# Altium PCB DD2090_4CAM_FFC.PcbDoc (part 4 of 4)
Units mm, origin at the board's own origin, x right, y up, seen from the top; angles counter-clockwise.
Board outline 65 x 38 mm, 6 copper layers (Top Copper, Layer 1, Layer 2, Layer 3, Layer 4, Bottom Layer), stack 1.578 mm thick; 177 components, 156 nets, 914 pads, 584 vias.
Unrouted connection lines stored in the file: 16.
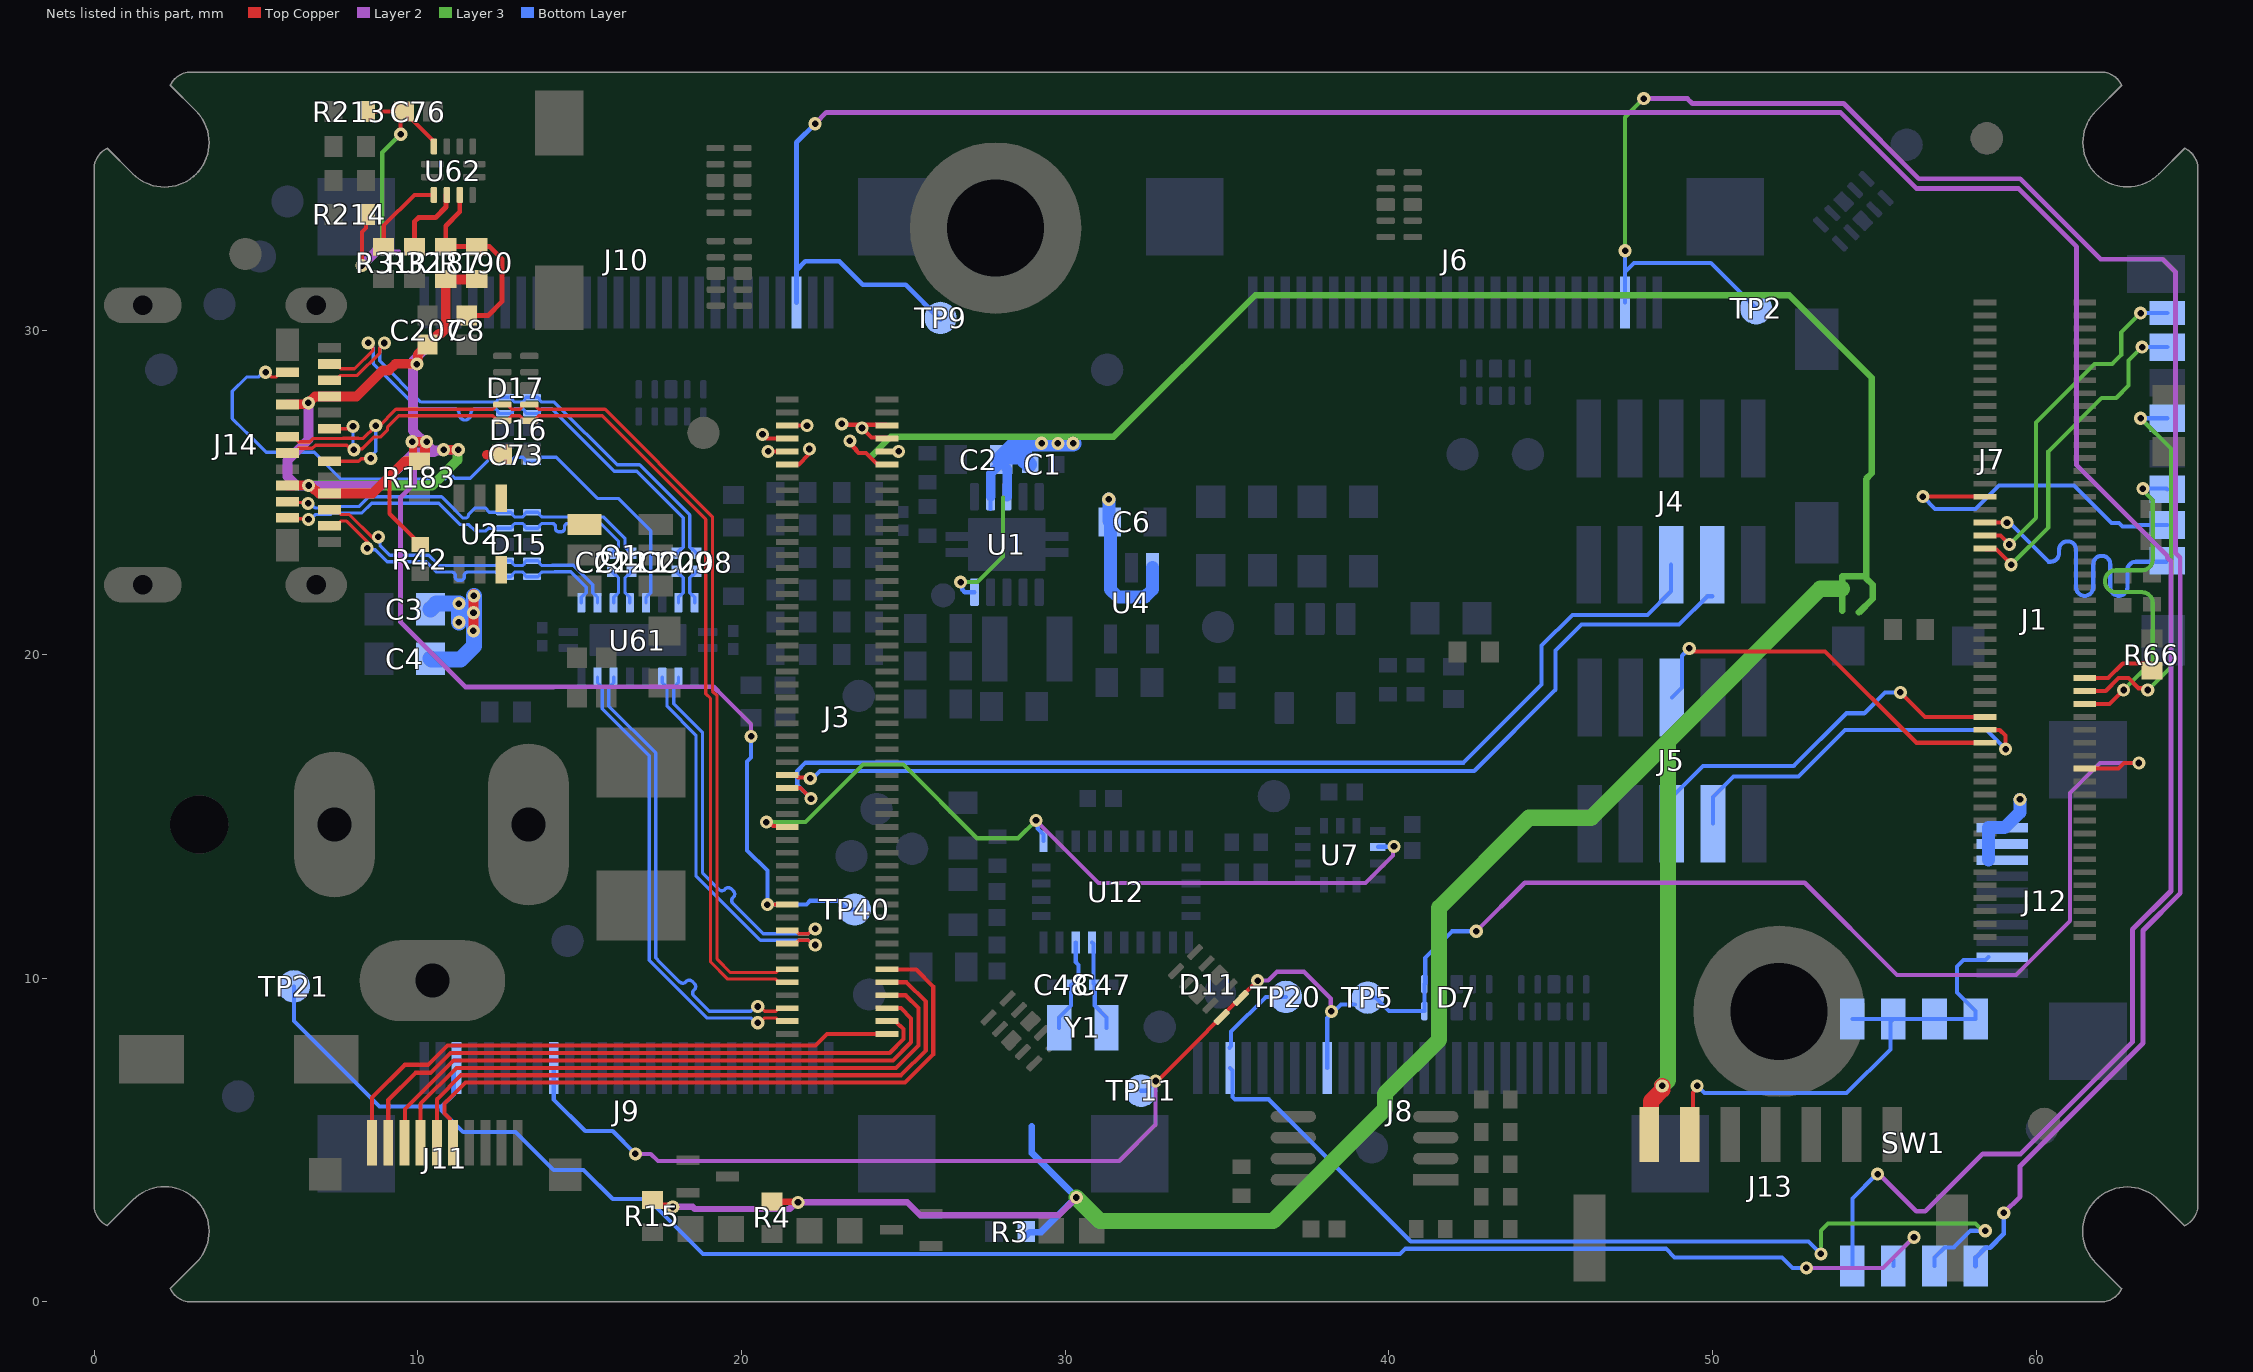
[diagram p8: the nets of this part, all layers, seen from the top]

## Via types
v1: diameter 0.406, hole 0.203, Top Copper to Bottom Layer, tented both sides, 584 vias

## Nets (pads, with @x,y where several pads share a name; then routed paths per layer and width w, separated by ;. In a path a pad name is that pad's centre, name@x,y a point inside that pad or via, vN(x,y) a via of type N, cw(c..) or ccw(c..) an arc to the next point about the centre after c; other vN are vias at no path point) (continued)
RXB_P: D16.1 D16.10 J14.B11 U61.16 | length 20.6
  Top Copper w0.102: v1(5.298,28.723) 5.327,28.723 5.473,28.577 5.627,28.577 5.775,28.725 J14.B11@5.975,28.725
  Bottom Layer w0.102: v1(5.298,28.723) 5.232,28.723 5.086,28.577 4.856,28.577 4.855,28.575 4.713,28.575 4.272,28.134 4.272,27.291 4.656,26.906 4.716,26.847 5.316,26.247 6.803,26.247 7.628,25.422 10.833,25.422 10.998,25.587 11.141,25.443 11.622,25.443 12.277,26.098 12.406,26.098 12.466,26.039 12.466,25.999 12.515,25.95 12.88,25.95 12.929,25.999 12.929,26.039 12.989,26.098 13.241,26.098 13.301,26.039 13.301,25.999 13.35,25.95 D16.10@13.533,25.95 13.715,25.95 13.764,25.999 13.764,26.039 13.824,26.098 14.274,26.098 14.973,25.4 15.116,25.256 15.551,24.822 16.198,24.822 17.202,23.818 17.202,21.908 17.142,21.848 17.127,21.848 17.053,21.774 U61.16@17.053,21.599
RXC_N: D15.2 D15.9 J14.A10 U61.13 | length 10.2
  Top Copper w0.102: J14.A10@7.275,24.475 7.475,24.475 7.623,24.327 7.886,24.327 8.619,23.594 8.744,23.594 v1(8.784,23.634)
  Bottom Layer w0.102: v1(8.784,23.634) 8.831,23.588 8.831,23.381 9.141,23.072 10.347,23.072 10.667,22.752 12.406,22.752 12.466,22.811 12.466,22.851 12.515,22.9 D15.2@12.698,22.9 12.88,22.9 12.929,22.851 12.929,22.811 12.989,22.752 13.241,22.752 13.301,22.811 13.301,22.851 13.35,22.9 13.715,22.9 13.764,22.851 13.764,22.811 13.824,22.752 14.142,22.752 14.149,22.759 14.807,22.759 15.405,22.161 15.405,21.908 15.464,21.848 15.479,21.848 15.553,21.774 U61.13@15.553,21.599
RXC_P: D15.1 D15.10 J14.A11 U61.12 | length 10.2
  Top Copper w0.102: J14.A11@7.275,23.975 7.475,23.975 7.623,24.123 7.802,24.123 8.475,23.45 8.475,23.325 v1(8.434,23.284)
  Bottom Layer w0.102: v1(8.434,23.284) 8.481,23.238 8.687,23.238 9.056,22.869 10.263,22.869 10.583,22.548 10.726,22.548 11.056,22.548 cw(c11.056,22.447) 11.157,22.447 11.157,22.392 ccw(c11.255,22.392) 11.255,22.294 11.339,22.294 ccw(c11.339,22.392) 11.437,22.392 11.437,22.447 cw(c11.538,22.447) 11.538,22.548 12.406,22.548 12.415,22.54 12.466,22.489 12.466,22.449 12.515,22.4 D15.1@12.698,22.4 12.88,22.4 12.929,22.449 12.929,22.489 12.989,22.548 13.241,22.548 13.301,22.489 13.301,22.449 13.35,22.4 13.715,22.4 13.764,22.449 13.764,22.489 13.824,22.548 14.226,22.548 14.233,22.556 14.723,22.556 15.202,22.077 15.202,21.908 15.142,21.848 15.127,21.848 15.053,21.774 U61.12@15.053,21.599
SD_HST0_CD: J1.59 R66.2 | length 2.2
  Top Copper w0.127: J1.59@61.5,19.275 62.226,19.275 62.676,19.725 R66.2@63.55,19.725
SD_HST0_CLK: J1.61 J7.5 | length 12.2
  Top Copper w0.127: J1.61@61.5,18.875 62.149,18.875 62.547,19.273 62.853,19.273 63.167,18.958 63.397,18.958 v1(63.45,18.905)
  Layer 3 w0.127: v1(63.225,27.3) 64.175,26.35 64.175,19.63 63.47,18.925 63.47,18.905 v1(63.45,18.905)
  Bottom Layer w0.127: v1(63.225,27.3) J7.5@64.05,27.3
SD_HST0_CMD: J1.63 J7.3 | length 11.2
  Top Copper w0.127: J1.63@61.5,18.475 62.27,18.475 v1(62.7,18.905)
  Layer 3 w0.127: v1(62.7,18.905) 63.604,19.808 63.604,21.525 63.604,21.589 ccw(c63.265,21.589) 63.265,21.927 62.463,21.927 cw(c62.463,22.266) 62.124,22.266 cw(c62.463,22.266) 62.463,22.604 63.265,22.604 ccw(c63.265,22.943) 63.604,22.943 63.604,24.625 63.604,24.764 63.297,25.071 v1(63.297,25.127)
  Bottom Layer w0.127: v1(63.297,25.127) 64.023,25.127 J7.3@64.05,25.1
SD_HST0_D0: J1.40 J7.7 | length 10.5
  Top Copper w0.127: J1.40@58.42,23.275 58.446,23.249 58.776,23.249 59.225,22.8 v1(59.225,22.775)
  Layer 3 w0.127: v1(59.225,22.775) 60.375,23.925 60.375,26.275 62.025,27.925 62.475,27.925 62.857,28.307 62.857,29.082 v1(63.275,29.5)
  Bottom Layer w0.127: v1(63.275,29.5) J7.7@64.05,29.5
SD_HST0_D1: J1.38 J7.8 | length 10.8
  Top Copper w0.127: J1.38@58.42,23.675 58.9,23.675 v1(59.175,23.4)
  Layer 3 w0.127: v1(59.175,23.4) 60,24.225 60,27.175 61.8,28.975 62.35,28.975 62.628,29.253 62.628,29.953 v1(63.225,30.55)
  Bottom Layer w0.127: v1(63.225,30.55) J7.8@64.05,30.55
SD_HST0_D2: J1.36 J7.1 | length 10.9
  Top Copper w0.127: J1.36@58.42,24.075 v1(59.1,24.075)
  Bottom Layer w0.127: v1(59.1,24.075) 59.175,24.075 60.382,22.868 60.445,22.868 ccw(c60.445,23.132) 60.709,23.132 60.709,23.235 cw(c60.972,23.235) 61.236,23.235 61.236,22.076 ccw(c61.499,22.076) 61.763,22.076 61.763,22.788 cw(c62.026,22.788) 62.29,22.788 62.29,22.076 ccw(c62.553,22.076) 62.817,22.076 62.817,22.605 cw(c63.08,22.605) 63.08,22.868 63.625,22.868 64.018,22.868 J7.1@64.05,22.9
SD_HST0_D3: J1.32 J7.2 | length 10.5
  Top Copper w0.127: v1(56.499,24.881) 56.502,24.878 58.417,24.878 J1.32@58.42,24.875
  Bottom Layer w0.127: v1(56.499,24.881) 56.88,24.5 58.125,24.5 58.85,25.225 61.172,25.225 62.329,24.068 62.56,24.068 62.671,23.957 63.134,23.957 63.177,24 J7.2@64.05,24
SPI_SIO2: J1.66 J5.6 | length 12.1
  Top Copper w0.127: v1(55.807,18.832) 56.056,18.583 56.564,18.075 J1.66@58.42,18.075
  Bottom Layer w0.127: J5.6@48.748,14.775 48.748,15.595 49.712,16.56 52.51,16.56 54.138,18.187 54.69,18.187 55.335,18.832 v1(55.807,18.832)
SPI_SIO3: J1.68 J5.8 | length 12.1
  Top Copper w0.127: J1.68@58.42,17.675 58.875,17.675 59.056,17.494 v1(59.056,17.079)
  Bottom Layer w0.127: J5.8@50.018,14.775 50.018,15.595 50.654,16.232 52.654,16.232 54.098,17.675 58.46,17.675 v1(59.056,17.079)
SPI_SS_0: J1.70 J5.5 | length 12.1
  Top Copper w0.127: v1(49.281,20.189) 49.356,20.189 49.445,20.1 53.473,20.1 56.298,17.275 J1.70@58.42,17.275
  Bottom Layer w0.127: J5.5@48.748,18.675 49.055,18.982 49.055,19.963 v1(49.281,20.189)
STEREO_CLK: D7.5 D7.6 D11.5 D11.6 J1.73 J8.18 J9.18 TP5.1 TP11.1 | length 67.4
  Top Copper w0.127: v1(32.798,6.825) 32.848,6.825 v1(35.948,9.925) ; J1.73@61.5,16.475 62.544,16.475 62.719,16.65 v1(63.175,16.65)
  Layer 2 w0.127: v1(16.725,4.575) 17.198,4.575 17.423,4.35 31.673,4.35 32.798,5.475 v1(32.798,6.825) ; v1(35.948,9.925) 36.275,9.925 36.55,10.2 37.375,10.2 38.206,9.369 38.206,8.994 v1(38.225,8.975) ; v1(42.7,11.45) 44.2,12.95 52.85,12.95 55.698,10.102 59.377,10.102 61.05,11.775 61.05,15.725 61.975,16.65 v1(63.175,16.65)
  Bottom Layer w0.127: J9.18@14.2,7.225 14.2,6.25 15.175,5.275 16.025,5.275 v1(16.725,4.575) ; TP11.1@32.348,6.525 32.498,6.525 v1(32.798,6.825) ; J8.18@38.098,7.225 38.098,8.772 38.225,8.899 v1@38.225,8.96 ; v1(38.225,8.975) 38.301,8.975 38.519,9.193 TP5.1@38.947,9.193 ; TP5.1@39.35,9.4 39.586,9.4 40.004,8.982 D7.5@41.1,8.982 D7.6@41.1,9.817 41.125,9.842 41.125,10.623 41.952,11.45 v1(42.7,11.45)
STROBE: J12.9 J13.2 SW1.5 SW1.6 SW1.7 SW1.8 | length 15.9
  Top Copper w0.127: J13.2@49.3,5.175 49.4,5.275 49.4,6.473 49.525,6.598 v1(49.525,6.672)
  Bottom Layer w0.127: v1(49.525,6.672) 49.529,6.672 49.751,6.45 54.146,6.45 55.5,7.804 55.5,8.645 SW1.6@55.59,8.735 ; SW1.5@54.32,8.735 SW1.6@55.59,8.735 ; J12.9@58.525,10.65 58.439,10.564 57.755,10.564 57.56,10.368 57.56,9.56 58.13,8.99 SW1.8@58.13,8.735 SW1.7@56.86,8.735 SW1.6@55.59,8.735
STROBE1: J8.24 SW1.2 TP20.1 | length 31.9
  Layer 3 w0.127: v1(53.35,1.485) 53.35,2.2 53.575,2.425 58.124,2.425 58.349,2.2 v1(58.425,2.2)
  Bottom Layer w0.127: J8.24@35.075,7.852 35.125,7.902 35.125,8.351 36.199,9.425 TP20.1@36.823,9.425 ; J8.24@35.098,7.225 35.173,7.15 35.173,6.334 35.247,6.26 36.291,6.26 40.679,1.872 52.963,1.872 v1(53.35,1.485) ; SW1.2@56.86,1.115 56.86,1.37 57.177,1.686 57.453,1.686 57.967,2.2 v1(58.425,2.2)
STROBE2: J9.24 SW1.3 TP21.1 | length 57.4
  Layer 2 w0.127: v1(52.9,1.05) 55.275,1.05 v1(56.225,2)
  Bottom Layer w0.127: TP21.1@6.175,9.75 6.175,8.675 8.815,6.035 10.74,6.035 ; J9.24@11.2,7.225 11.114,7.139 11.114,6.409 10.74,6.035 ; v1(52.9,1.05) 52.468,1.05 52.143,1.375 48.83,1.375 48.561,1.643 40.51,1.643 40.349,1.482 18.808,1.482 17.114,3.175 16.025,3.175 15.125,4.075 14.2,4.075 13.025,5.25 11.404,5.25 10.74,5.915 10.74,6.035 ; SW1.3@55.59,1.115 55.59,1.37 56.22,2 v1(56.225,2)
STROBE3: J6.24 SW1.1 TP2.1 | length 63.4
  Layer 2 w0.15: v1(47.875,37.175) 49.225,37.175 49.375,37.025 54.05,37.025 56.375,34.7 59.506,34.7 61.993,32.212 63.913,32.212 64.3,31.825 64.3,23.14 64.45,22.99 64.45,12.625 63.3,11.475 63.3,7.996 59.504,4.2 59.504,3.254 v1(59,2.75)
  Layer 3 w0.127: v1(47.3,32.475) 47.3,36.6 v1(47.875,37.175)
  Bottom Layer w0.127: J6.24@47.298,30.875 47.298,31.823 ; v1(47.3,32.475) 47.298,32.473 47.298,31.823 ; TP2.1@51.348,30.7 49.948,32.1 47.575,32.1 47.298,31.823
  Bottom Layer w0.15: SW1.1@58.13,1.115 58.13,1.37 58.435,1.675 58.575,1.675 59,2.1 v1(59,2.75)
STROBE4: J10.24 SW1.4 TP9.1 | length 91.9
  Layer 2 w0.15: v1(22.275,36.4) 22.625,36.75 53.95,36.75 56.3,34.4 59.45,34.4 61.25,32.6 61.25,25.85 64.048,23.052 64.048,22.995 64.165,22.879 64.165,12.696 62.975,11.506 62.975,8.027 59.523,4.575 58.35,4.575 56.575,2.8 56.3,2.8 55.15,3.95 v1(55.1,3.95)
  Bottom Layer w0.127: SW1.4@54.32,1.115 54.32,3.195 55.075,3.95 v1(55.1,3.95)
  Bottom Layer w0.15: J10.24@21.7,30.875 21.7,31.875 ; v1(22.275,36.4) 21.7,35.825 21.7,31.875 ; TP9.1@26.15,30.35 25.075,31.425 23.75,31.425 23.025,32.15 21.975,32.15 21.7,31.875
SYS_RST: J3.89 J11.6 | length 20.8
  Top Copper w0.127: J11.6@11.089,4.92 11,5.009 11,5.654 10.832,5.822 10.832,6.128 11.479,6.775 25.05,6.775 25.925,7.65 25.925,9.75 25.4,10.275 J3.89@24.495,10.275
TCK: J3.97 J11.2 | length 19
  Top Copper w0.127: J11.2@9.089,4.92 9.089,6.242 9.926,7.079 10.398,7.079 11.009,7.689 24.583,7.689 25.01,8.117 25.01,8.433 24.913,8.53 24.9,8.53 24.782,8.649 24.522,8.649 J3.97@24.495,8.675
TDI: J3.95 J11.3 | length 19.1
  Top Copper w0.127: J11.3@9.589,4.92 9.601,4.932 9.601,5.959 11.103,7.461 24.678,7.461 25.239,8.022 25.239,8.761 24.925,9.075 J3.95@24.495,9.075
TDO: J3.91 J11.5 | length 20
  Top Copper w0.127: J11.5@10.589,4.92 10.589,6.26 11.333,7.004 24.929,7.004 25.696,7.771 25.696,9.279 25.1,9.875 J3.91@24.495,9.875
TMS: J3.99 J11.1 | length 18.1
  Top Copper w0.127: J11.1@8.589,4.92 8.589,6.317 9.599,7.326 10.322,7.326 10.914,7.918 22.291,7.918 22.648,8.275 J3.99@24.495,8.275
TRST: J3.93 J11.4 | length 19.6
  Top Copper w0.127: J11.4@10.089,4.92 10.089,6.123 11.198,7.232 24.772,7.232 25.467,7.927 25.467,9.083 25.075,9.475 J3.93@24.495,9.475
TXB1_N: C208.2 U61.19 | length 1.1
  Bottom Layer w0.102: U61.19@18.553,21.599 18.553,21.774 18.479,21.848 18.464,21.848 18.405,21.908 18.405,22.102 18.405,22.38 18.464,22.44 18.494,22.44 18.603,22.549 C208.2@18.603,22.569
TXB1_P: C209.2 U61.18 | length 1.1
  Bottom Layer w0.102: C209.2@18.003,22.569 18.003,22.549 18.112,22.44 18.142,22.44 18.202,22.38 18.202,22.186 18.202,21.908 18.142,21.848 18.127,21.848 18.053,21.774 U61.18@18.053,21.599
TXB_N: C208.1 D16.5 D16.6 J14.A3 | length 16.1
  Top Copper w0.102: J14.A3@7.275,28.475 7.475,28.475 7.623,28.623 8.13,28.623 8.822,29.316 8.822,29.477 v1(8.97,29.625)
  Bottom Layer w0.102: v1(8.97,29.625) 8.825,29.48 8.825,29.075 10.098,27.802 12.406,27.802 12.466,27.861 12.466,27.901 12.515,27.95 D16.5@12.698,27.95 12.88,27.95 12.929,27.901 12.929,27.861 12.989,27.802 13.241,27.802 13.301,27.861 13.301,27.901 13.35,27.95 D16.6@13.533,27.95 13.715,27.95 13.764,27.901 13.764,27.861 13.824,27.802 14.222,27.802 16.158,25.866 16.853,25.866 18.405,24.315 18.405,23.318 18.464,23.258 18.494,23.258 18.603,23.149 C208.1@18.603,23.129
TXB_P: C209.1 D16.4 D16.7 J14.A2 | length 16.1
  Top Copper w0.102: J14.A2@7.275,28.975 7.475,28.975 7.623,28.827 8.046,28.827 8.619,29.4 8.619,29.481 v1(8.471,29.629)
  Bottom Layer w0.102: v1(8.471,29.629) 8.622,29.478 8.622,28.991 10.014,27.598 10.707,27.598 11.109,27.598 cw(c11.109,27.423) 11.285,27.423 ccw(c11.461,27.423) 11.461,27.247 ccw(c11.461,27.423) 11.636,27.423 cw(c11.812,27.423) 11.812,27.598 12.25,27.598 12.406,27.598 12.466,27.539 12.466,27.499 12.515,27.45 D16.4@12.698,27.45 12.88,27.45 12.929,27.499 12.929,27.539 12.989,27.598 13.241,27.598 13.301,27.539 13.301,27.499 13.35,27.45 D16.7@13.533,27.45 13.715,27.45 13.764,27.499 13.764,27.539 13.824,27.598 14.138,27.598 16.074,25.663 16.769,25.663 18.202,24.23 18.202,23.318 18.142,23.258 18.112,23.258 18.003,23.149 C209.1@18.003,23.129
TXC1_N: C211.2 U61.15 | length 1.1
  Bottom Layer w0.102: U61.15@16.553,21.599 16.553,21.774 16.479,21.848 16.464,21.848 16.405,21.908 16.405,22.38 16.464,22.44 16.494,22.44 16.603,22.549 C211.2@16.603,22.569
TXC1_P: C212.2 U61.14 | length 1.1
  Bottom Layer w0.102: C212.2@16.003,22.569 16.003,22.549 16.112,22.44 16.142,22.44 16.202,22.38 16.202,21.908 16.142,21.848 16.127,21.848 16.053,21.774 U61.14@16.053,21.599
TXC_N: C211.1 D15.5 D15.6 J14.B3 | length 12.2
  Top Copper w0.102: J14.B3@5.975,24.725 6.003,24.697 6.585,24.697 v1(6.613,24.669)
  Bottom Layer w0.102: v1(6.613,24.669) 6.684,24.669 6.825,24.528 7.212,24.528 7.26,24.577 8.189,24.577 8.488,24.875 10.736,24.875 10.986,24.625 11.392,24.219 11.508,24.219 11.567,24.278 11.567,24.317 11.781,24.531 12.081,24.531 12.212,24.4 12.88,24.4 12.929,24.351 12.929,24.311 12.989,24.252 13.241,24.252 13.301,24.311 13.301,24.351 13.35,24.4 D15.6@13.533,24.4 13.715,24.4 13.764,24.351 13.764,24.311 13.824,24.252 15.737,24.252 16.405,23.583 16.405,23.318 16.464,23.258 16.494,23.258 16.603,23.149 C211.1@16.603,23.129
TXC_P: C212.1 D15.4 D15.7 J14.B2 | length 12.1
  Top Copper w0.102: J14.B2@5.975,24.225 6.001,24.199 6.598,24.199 v1(6.624,24.174)
  Bottom Layer w0.102: v1(6.624,24.174) 6.684,24.174 6.836,24.325 7.296,24.325 7.344,24.373 8.189,24.373 8.273,24.373 8.572,24.672 10.652,24.672 10.986,24.338 11.308,24.015 11.582,24.015 11.778,23.819 12.106,23.819 12.187,23.9 12.88,23.9 12.929,23.949 12.929,23.989 12.989,24.048 13.241,24.048 13.301,23.989 13.301,23.949 13.35,23.9 D15.7@13.533,23.9 13.715,23.9 13.764,23.949 13.764,23.989 13.824,24.048 14.154,24.048 cw(c14.154,23.947) 14.256,23.947 14.256,23.893 ccw(c14.354,23.893) 14.354,23.796 14.437,23.796 ccw(c14.437,23.893) 14.535,23.893 14.535,23.947 cw(c14.637,23.947) 14.637,24.048 15.288,24.048 15.652,24.048 16.202,23.499 16.202,23.318 16.142,23.258 16.112,23.258 16.003,23.149 C212.1@16.003,23.129
UART_RX: J3.62 J4.6 | length 32.7
  Top Copper w0.127: J3.62@21.415,15.875 21.825,15.875 v1(22.15,15.55)
  Bottom Layer w0.127: v1(22.15,15.55) 21.725,15.975 21.725,16.4 21.984,16.659 42.306,16.659 44.723,19.075 44.723,20.275 45.673,21.225 47.993,21.225 48.723,21.955 J4.6@48.723,22.775
UART_TX: J3.60 J4.8 | length 31.7
  Top Copper w0.127: J3.60@21.415,16.275 21.675,16.275 21.75,16.2 22.1,16.2 v1(22.125,16.175)
  Bottom Layer w0.127: v1(22.125,16.175) 22.201,16.175 22.432,16.406 42.64,16.406 45.148,18.914 45.148,20.125 45.948,20.925 48.963,20.925 49.838,21.8 J4.8@49.993,21.8
USB_CM: R31.1 U62.3 | length 2.6
  Top Copper w0.127: R31.1@8.948,32.6 8.948,33.25 9.898,34.2 U62.3@10.498,34.2
USB_D_N: D17.2 D17.9 J3.90 J14.A7 J14.B7 | length 33.7
  Top Copper w0.102: J14.B7@5.975,26.725 6.175,26.725 6.323,26.577 6.662,26.577 6.758,26.673 7.688,26.673 7.696,26.681 8.172,26.681 8.176,26.677 8.315,26.677 v1@8.681,27.043 ; J14.A7@7.275,25.975 7.872,25.975 7.878,25.969 8.172,25.969 8.257,26.054 8.541,26.054 v1(8.549,26.061) ; v1@8.792,27.043 9.325,27.577 12.321,27.577 12.381,27.636 12.381,27.676 12.43,27.725 D17.9@12.613,27.725 12.795,27.725 12.844,27.676 12.844,27.636 12.904,27.577 13.156,27.577 13.216,27.636 13.216,27.676 13.265,27.725 D17.2@13.448,27.725 13.63,27.725 13.679,27.676 13.679,27.636 13.739,27.577 15.786,27.577 19.103,24.259 19.103,18.872 19.248,18.727 19.248,10.591 19.662,10.177 21.057,10.177 21.155,10.275 J3.90@21.415,10.275
  Bottom Layer w0.102: v1(8.549,26.061) 8.549,26.122 8.7,26.273 v1(8.7,27.075)
USB_D_P: D17.1 D17.10 J3.92 J14.A6 J14.B6 | length 33.1
  Top Copper w0.102: J14.B6@5.975,26.225 6.175,26.225 6.323,26.373 6.746,26.373 6.842,26.469 7.813,26.469 7.957,26.325 v1(8.025,26.325) 8.062,26.362 8.287,26.362 8.644,26.719 8.847,26.719 9.068,26.94 9.068,27.032 9.409,27.373 12.321,27.373 12.381,27.314 12.381,27.274 12.43,27.225 D17.10@12.613,27.225 12.795,27.225 12.844,27.274 12.844,27.314 12.904,27.373 13.156,27.373 13.216,27.314 13.216,27.274 13.265,27.225 D17.1@13.448,27.225 13.63,27.225 13.679,27.274 13.679,27.314 13.739,27.373 15.702,27.373 18.9,24.175 18.9,18.788 19.044,18.643 19.044,10.507 19.578,9.973 20.972,9.973 21.057,9.973 21.155,9.875 J3.92@21.415,9.875 ; J14.A6@7.275,26.975 7.843,26.975 7.918,27.05 v1(8,27.05)
  Bottom Layer w0.102: v1(8,27.05) 8,26.35 v1(8.025,26.325)
USB_PORT: R32.1 U62.4 | length 2.3
  Top Copper w0.152: R32.1@9.906,32.6 9.906,33.383 10.023,33.5 10.548,33.5 10.874,33.826 10.874,34.176 U62.4@10.898,34.2
USB_RX_N: J3.96 U61.7 | length 14.6
  Top Copper w0.102: v1(20.505,9.126) 20.567,9.126 20.717,8.977 20.828,8.977 21.057,8.977 21.155,9.075 J3.96@21.415,9.075
  Bottom Layer w0.102: U61.7@16.053,19.299 16.053,19.124 15.979,19.05 15.964,19.05 15.905,18.991 15.905,18.405 17.351,16.959 17.351,10.633 17.483,10.501 18.101,9.883 ccw(c18.189,9.971) 18.277,9.883 18.298,9.904 cw(c18.386,9.816) 18.474,9.904 18.55,9.829 cw(c18.462,9.741) 18.55,9.653 18.528,9.631 ccw(c18.616,9.543) 18.528,9.455 18.816,9.168 19.007,8.977 20.293,8.977 20.442,9.126 v1(20.505,9.126)
USB_RX_P: J3.98 U61.8 | length 14.6
  Top Copper w0.102: v1(20.504,8.624) 20.568,8.624 20.717,8.773 20.913,8.773 21.057,8.773 21.155,8.675 J3.98@21.415,8.675
  Bottom Layer w0.102: U61.8@15.553,19.299 15.553,19.124 15.627,19.05 15.642,19.05 15.702,18.991 15.702,18.321 17.148,16.875 17.148,10.548 18.923,8.773 20.209,8.773 20.293,8.773 20.442,8.624 v1(20.504,8.624)
USB_TX_N: J3.84 U61.3 | length 12.1
  Top Copper w0.102: J3.84@21.415,11.475 21.675,11.475 21.773,11.377 22.068,11.377 22.214,11.523 v1(22.28,11.523)
  Bottom Layer w0.102: U61.3@18.053,19.299 18.053,19.124 17.979,19.05 17.964,19.05 17.905,18.991 17.905,18.483 18.798,17.59 18.798,13.368 18.798,13.249 19.307,12.739 ccw(c19.395,12.827) 19.483,12.739 19.505,12.761 cw(c19.593,12.673) 19.681,12.761 19.756,12.686 cw(c19.668,12.598) 19.756,12.51 19.735,12.488 ccw(c19.823,12.4) 19.735,12.312 20.022,12.025 20.67,11.377 21.762,11.377 22.068,11.377 22.214,11.523 v1(22.28,11.523)
USB_TX_P: J3.86 U61.4 | length 12.1
  Top Copper w0.102: J3.86@21.415,11.075 21.675,11.075 21.773,11.173 22.068,11.173 22.214,11.027 v1(22.28,11.027)
  Bottom Layer w0.102: U61.4@17.553,19.299 17.553,19.124 17.627,19.05 17.642,19.05 17.702,18.991 17.702,18.399 18.594,17.506 18.594,13.165 20.586,11.173 21.675,11.173 22.068,11.173 22.214,11.027 v1(22.28,11.027)
VBUS: C73.2 C207.2 J3.80 J14.A4 J14.A9 J14.B4 J14.B9 R42.1 R183.2 R187.1 R190.1 TP40.1 U2.1 | length 63.5
  Top Copper w0.127: 9.125,25.5 9.125,24.35 9.863,23.611 9.863,23.561 10.025,23.4 R42.1@10.075,23.4 ; v1(20.8,12.275) J3.80@21.415,12.275
  Top Copper w0.25: v1(9.825,26.575) 9.855,26.545 9.855,26.125 R183.2@10.005,25.975
  Top Copper w0.3: J14.B4@5.968,25.225 6.263,25.225 6.268,25.23 6.622,25.23 v1(6.629,25.223) ; J14.B9@5.968,27.73 6.578,27.73 v1(6.623,27.775) 6.823,27.975 J14.A4@7.275,27.975 8.104,27.975 8.904,28.775 9.1,28.775 9.305,28.98 9.97,28.98 v1(9.975,28.975) 9.995,28.995 9.995,29.27 C207.2@10.3,29.575 10.46,29.735 10.472,29.735 10.65,29.913 10.714,29.913 10.864,30.064 10.864,31.475 10.791,31.548 10.791,31.588 R190.1@11.823,31.588 ; v1@6.63,25.23 6.651,25.23 6.711,25.17 6.724,25.17 6.821,25.073 6.852,25.073 6.95,24.975 J14.A9@7.275,24.975 8.6,24.975 9.125,25.5 9.6,25.975 R183.2@10.1,25.975 ; v1(9.825,26.575) v1(10.275,26.575) 10.275,26.546 10.225,26.496 10.225,26.1 R183.2@10.1,25.975 ; R183.2@10.005,25.975 R183.2@10.05,25.975 R183.2@10.1,25.975 ; v1(10.8,26.325) v1(11.25,26.325) ; 12.142,26.175 C73.2@12.6,26.175